# Altium PCB 单片机综合实验电路板.PcbDoc (part 1 of 2)
Units mil, origin at the board's own origin, x right, y up, seen from the top; angles counter-clockwise.
Board outline 6645 x 5655 mil, 2 copper layers (Top Layer, Bottom Layer); 110 components, 121 nets, 532 pads, 90 vias.
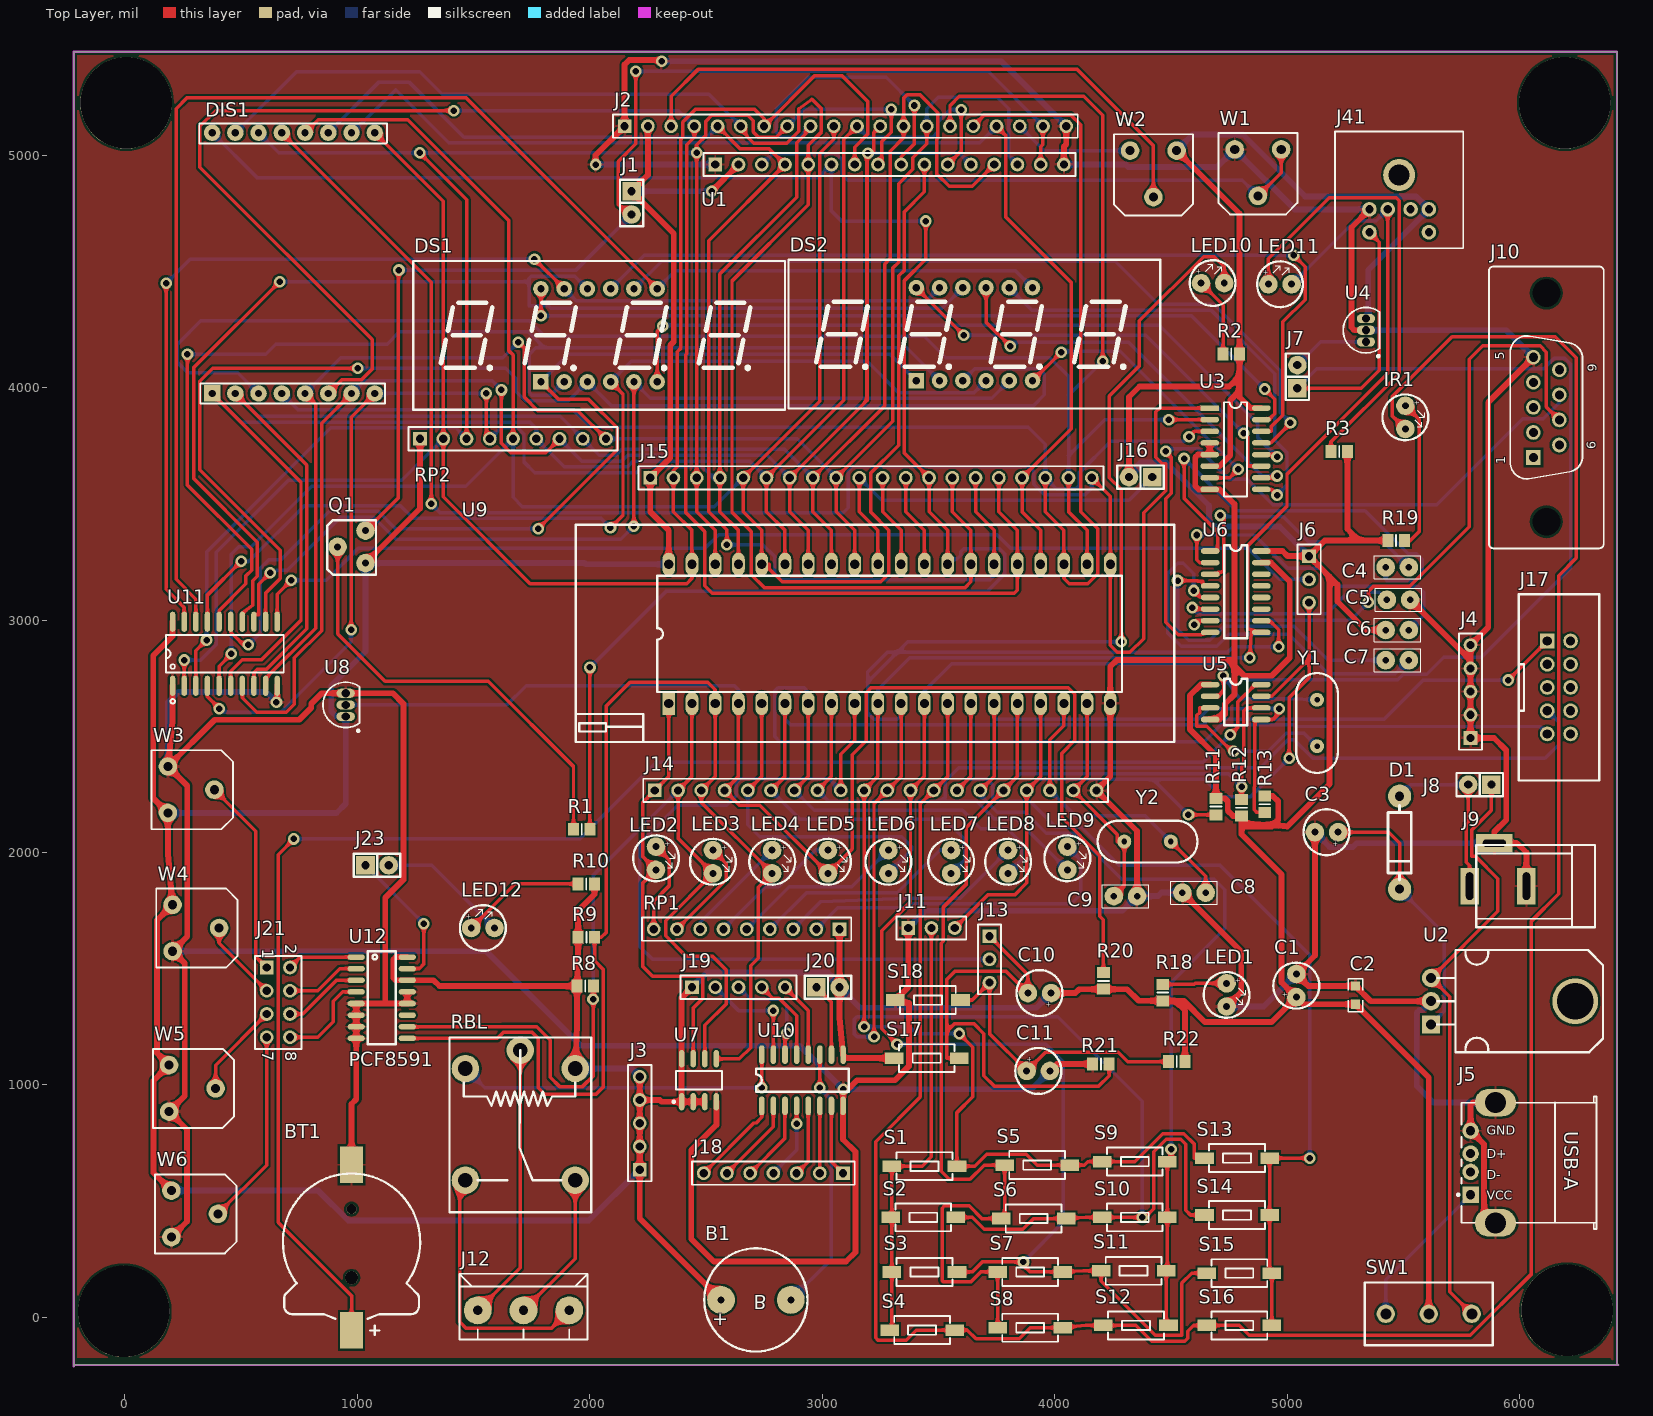
[diagram p0: Top Layer view]
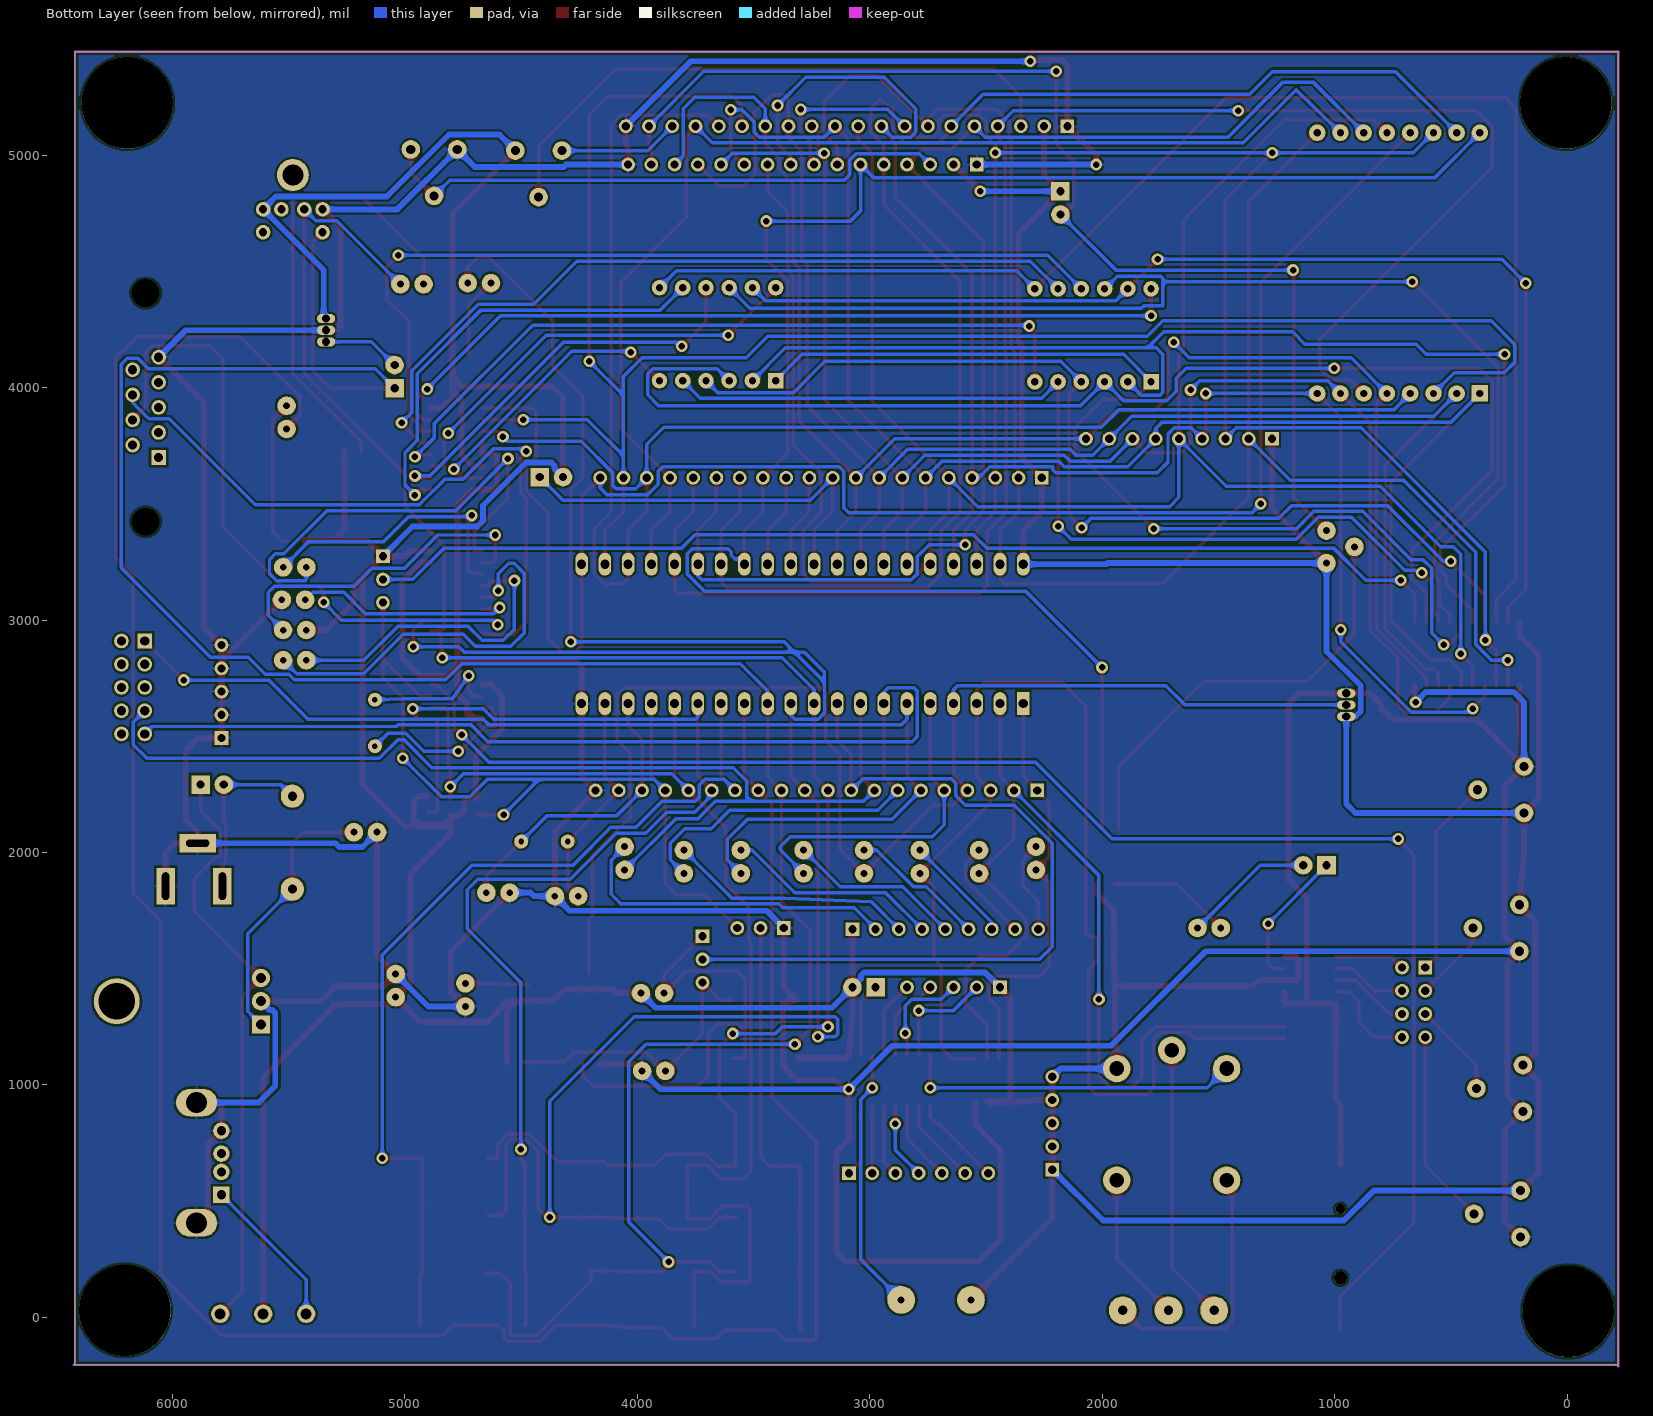
[diagram p1: Bottom Layer view, seen from below]

## Layer stack, top to bottom
Top Solder: solder mask 0.4, Solder Resist, Dk 3.5
Top Layer: signal copper 1.4
Dielectric 1: dielectric 12.6, FR-4, Dk 4.8
Bottom Layer: signal copper 1.4
Bottom Solder: solder mask 0.4, Solder Resist, Dk 3.5

## Board outline
-220,-210 -220,5445 6420,5445 6420,-200 6425,-205 -215,-205

## Design rules (kind name [scope] priority, off if disabled: settings)
Clearance [All] p1: gap=10 ignorepadtopadclearanceinfootprint=FALSE except(0: Arc-Hole Track-Hole SMDPad-Hole THPad-Hole Via-Hole Fill-Hole Poly-Hole Region-Hole Text-Hole)
PolygonConnect [All] p1: connectstyle=Relief reliefconductorwidth=10 reliefentries=4 polygonreliefangle="90 Angle" airgapwidth=10
RoomDefinition 单片机实验开发板 [InComponentClass('单片机实验开发板')] p1: confinementstyle=ConfineIn formatcopy=TRUE outline -220,-210 6425,-210 6425,5450 -220,5450
RoutingVias [All] p1: holewidth=28 width=50 viastyle="Through Hole" minholewidth=28 minwidth=50 maxholewidth=28 maxwidth=50
SolderMaskExpansion [All] p1: expansion=4
Width Width_2 [InNet('VCC')] p1: maxlimit=30 minlimit=20 preferedwidth=25 minimp=50.000000 maximp=50.000000 favimp=50.000000
Width Width_1 [InNet('GND')] p2: maxlimit=50 minlimit=20 preferedwidth=25 minimp=50.000000 maximp=50.000000 favimp=50.000000
Width [All] p3: maxlimit=20 minlimit=10 preferedwidth=15 minimp=50.000000 maximp=50.000000 favimp=50.000000
30 further rules are at their usual default settings.

## Components (designator, comment, footprint, x,y, rotation, side; value= is the part's Value field where it differs from the comment)
B1 "SPEAKER" speaker 2565,75 r0 top
BT1 "Battery" CR1220_A 975,323.54 r270 top
C1 "470UF" RB.1/.2 5040,1377.13 r90 top
C2 "0.1u" 0805C 5295,1386.5 r90 top
C3 "" RB.1/.2 5220,2087.13 r180 top
C4 "0.1U" RAD0.1 5424.57,3227.13 r0 top
C5 "0.1U" RAD0.1 5429.57,3087.13 r0 top
C6 "0.1U" RAD0.1 5524.57,2957.13 r180 top
C7 "0.1U" RAD0.1 5424.57,2827.13 r0 top
C8 "30P" RAD0.1 4650,1827.13 r180 top
C9 "30P" RAD0.1 4255,1812.13 r0 top
C10 "10U" RB.1/.2 3985,1395 r180 top
C11 "10U" RB.1/.2 3880,1060 r0 top
D1 "IN5819" DIODE0.4 5484.57,2242.13 r270 top
DIS1 "1588B" "LED 8*8(1)" 375,3975 r0 top
DS1 "8041A" "SMG 0.4-4P" 2040,4225 r0 top
DS2 "8041A" "SMG 0.4-4P" 3655,4230 r0 top
IR1 "IR" LED 5509.57,3922.13 r270 top
J1 "CON2" SIP2 2180,4845 r270 top
J2 "HDR-1X20" HDR1X20 2150,5125 r0 top
J3 "Connector" HDR1X5 2215,635 r90 top
J4 "Connector" HDR1X5 5789.57,2492.13 r90 top
J5 "CON4" USB-A/S_A 5790,665 r0 top
J6 "CON3" HDR1X3 5095,3275 r270 top
J7 "CON2" SIP2 5044.57,3997.13 r90 top
J8 "CON1X2" SIP2 5879.57,2292.13 r180 top
J9 "CON3" DC-005 6030,1855 r0 top
J10 "DB9" DB9-VP-2R74 6115.91,3915 r90 top
J11 "CON3" HDR1X3 3370,1675 r0 top
J12 "CON3" 5.08-S301 1518.15,30 r0 top
J13 "CON3" HDR1X3 3720,1640 r270 top
J14 "" HDR1X20 2280,2267.13 r0 top
J15 "Header 20" HDR1X20 2260,3612.13 r0 top
J16 "CON2" SIP2 4420,3615 r180 top
J17 "Header 10" DC-2.54-L-Z-10P 6170,2710 r270 top
J18 "CON7" HDR1X7 3090,620 r180 top
J19 "Connector" HDR1X5 2440,1420 r0 top
J20 "CON2" SIP2 2975,1420 r0 top
J21 "CON4X2" HDR2X4 610,1505 r270 top
J23 "CON2" SIP2 1035,1945 r0 top
J41 "PS2-6PIN" PS2-6PIN 5433.31,4767.13 r0 top
LED1 "LED" LED 4740,1437.13 r270 top
LED2 "WHITE" LED 2285,2025 r270 top
LED3 "WHITE" LED 2530,2010 r270 top
LED4 "YELLOW" LED 2785,2010 r270 top
LED5 "YELLOW" LED 3025,2010 r270 top
LED6 "GREEN" LED 3285,2010 r270 top
LED7 "GREEN" LED 3555,2010 r270 top
LED8 "RED" LED 3800,2010 r270 top
LED9 "RED" LED 4055,2025 r270 top
LED10 "WHITE" LED 4630,4450 r0 top
LED11 "WHITE" LED 4920,4445 r0 top
LED12 "RED" LED 1490,1675 r0 top
Q1 "PNP" TO-92C 1035,3245 r90 top
R1 "4.7K" 6-0805_N 1965.43,2100 r180 top
R2 "390" 6-0805_N 4760.43,4145 r0 top
R3 "390" 6-0805_N 5224.57,3725 r0 top
R8 "10K" 6-0805_N 1980.43,1425 r180 top
R9 "10K" 6-0805_N 1985.43,1635 r180 top
R10 "390" 6-0805_N 1985,1865 r0 top
R11 "10K" 6-0805_N 4694.57,2197.56 r90 top
R12 "10K" 6-0805_N 4804.57,2192.13 r270 top
R13 "10K" 6-0805_N 4904.57,2207.56 r90 top
R18 "390" 6-0805_N 4465,1397.13 r270 top
R19 "1.2K" 6-0805_N 5469.13,3342.13 r180 top
R20 "10K" 6-0805_N 4210,1447.13 r270 top
R21 "10K" 6-0805_N 4199.57,1090 r0 top
R22 "10K" 6-0805_N 4525.43,1100 r0 top
RBL "Relay-S-DC5V" Relay-C_Y 1937.44,1070.32 r270 top
RP1 "103" R-SIP9 3075,1670 r180 top
RP2 "330" R-SIP9 1270,3780 r0 top
S1 "SW-PB" SW-MINI 3320,650 r0 top
S2 "SW-PB" SW-MINI 3315,430 r0 top
S3 "SW-PB" SW-MINI 3320,195 r0 top
S4 "SW-PB" SW-MINI 3310,-55 r0 top
S5 "SW-PB" SW-MINI 3805,655 r0 top
S6 "SW-PB" SW-MINI 3790,425 r0 top
S7 "SW-PB" SW-MINI 3775,195 r0 top
S8 "SW-PB" SW-MINI 3775,-45 r0 top
S9 "SW-PB" SW-MINI 4465,670 r180 top
S10 "SW-PB" SW-MINI 4465,430 r180 top
S11 "SW-PB" SW-MINI 4460,200 r180 top
S12 "SW-PB" SW-MINI 4470,-35 r180 top
S13 "SW-PB" SW-MINI 4905,685 r180 top
S14 "SW-PB" SW-MINI 4905,440 r180 top
S15 "SW-PB" SW-MINI 4915,190 r180 top
S16 "SW-PB" SW-MINI 4915,-35 r180 top
S17 "SW-PB" SW-MINI 3570,1115 r180 top
S18 "SW-PB" SW-MINI 3575,1365 r180 top
SW1 "SW-SPDT" SS-12D10 5610,15 r0 top
U1 "LCD 1602" HDR1X16 2540,4960 r0 top
U2 "MC7805T" TO220C 5620,1360 r270 top
U3 "74HC138" SOP16_N 4676.67,3912.02 r0 top
U4 "IR1308" TO-92A 5339.57,4247.13 r0 top
U5 "DS1302" SOP8 4669.57,2722.13 r0 top
U6 "MAX232" SOP16 4669.57,3297.13 r0 top
U7 "24Cxx" SO8_L 2470,1020 r90 top
U8 "3PIN" TO-92A 950,2635 r0 top
U9 "DIP40H" ZIF40 3200,2940 r90 top
U10 "UN2003" SOP16 2740,910 r90 top
U11 "74HC573" SOP20-208 430,2855 r0 top
U12 "PCF8591" SO16NB 995,1550 r270 top
W1 "10K" VR1 4975,5025 r180 top
W2 "10K" VR1 4525,5020 r180 top
W3 "10K" VR1 185,2370 r270 top
W4 "10K" VR1 205,1775 r270 top
W5 "10K" VR1 190,1085 r270 top
W6 "10K" VR1 200,545 r270 top
Y1 "XTAL" XTAL2 5129.57,2557.13 r270 top
Y2 "0-24M" XTAL2 4400,2047.13 r180 top

## Footprints (in the part's own frame and the unit in brackets; to place one, negate y for a bottom-side part, rotate by r counter-clockwise, add the part's x,y. Pads: shape width x height; smd on the part's side, far side on the other; paste and mask are expansions set on the pad)
5.08-S301 [mil]
  round 120 hole 39.37: 1(0,0) 2(196.85,0) 3(393.7,0)
  silkscreen extent -79,-126 472,157
6-0805_N [mm]
  rect 1.2x1.4 smd: 1(-0.9,0) 2(0.9,0)
  silkscreen extent 0,-0.6 0,0.6, body extent -1.07,-0.7 1.07,0.7, height 0.7
0805C [mm]
  rect 1x1 smd: 1(-1,0) 2(1,0)
  silkscreen extent -1.8,-0.8 1.8,0.8
CR1220_A [mm] "纽扣电池座"
  round 1.1 hole 1.1: 0(-3.6,0)
  round 1.45 hole 1.45: 0(3.9,0)
  rect 4x2.5 smd: 1(9.652,0) 2(-8.458,0)
  silkscreen extent -7.5,-7.5 10.16,7.5, body extent -9.42,-7.45 10.34,7.45, height 4.05
DB9-VP-2R74 [mm]
  rect 1.6x1.6 hole 1: 1(-5.48,1.42)
  round 1.6 hole 1: 2(-2.74,1.42) 3(0,1.42) 4(2.74,1.42) 5(5.48,1.42) 6(-4.11,-1.42) 7(-1.37,-1.42) 8(1.37,-1.42) 9(4.11,-1.42)
  round 0 hole 3.05: ""(-12.495,0) ""(12.495,0)
  silkscreen extent -15.4,-6.27 15.41,6.28
DC-2.54-L-Z-10P [mm] "立式直插简牛插座，间距2.54"
  rect 1.6x1.6 hole 1.02: 1(-5.08,-1.27)
  round 1.6 hole 1.02: 2(-5.08,1.27) 3(-2.54,-1.27) 4(-2.54,1.27) 5(0,-1.27) 6(0,1.27) 7(2.54,-1.27) 8(2.54,1.27) 9(5.08,-1.27) 10(5.08,1.27)
  silkscreen extent -10.17,-4.4 10.17,4.4
DC-005 [mm] "5.5*2.1mm，DC30V,2.5A"
  rect 2x4 hole 0.8 slot 3 at 90 deg: 1(-6.2,0) 2(0,0)
  rect 4x2 hole 0.8 slot 2.5 at 0 deg: 3(-3.5,4.7)
  silkscreen extent -5.48,-4.5 7.5,4.5, body extent -6.55,-4.5 7.5,4.8, height 11.2
DIODE0.4 [mm]
  round 2.54 hole 1: A(0,0) K(10.16,0)
  silkscreen extent 1.02,-1.27 9.14,1.27
HDR1X3 [mm] "Connector; Header; 3 Position"
  rect 1.5x1.5 hole 0.9: 1(0,0)
  round 1.5 hole 0.9: 2(2.54,0) 3(5.08,0)
  silkscreen extent -1.27,-1.27 6.35,1.27
HDR1X5 [mm] "Connector; Header; 5 Position"
  rect 1.5x1.5 hole 0.9: 1(0,0)
  round 1.5 hole 0.9: 2(2.54,0) 3(5.08,0) 4(7.62,0) 5(10.16,0)
  silkscreen extent -1.27,-1.27 11.43,1.27
HDR1X7 [mm] "Connector; Header; 7 Position"
  rect 1.5x1.5 hole 0.9: 1(0,0)
  round 1.5 hole 0.9: 2(2.54,0) 3(5.08,0) 4(7.62,0) 5(10.16,0) 6(12.7,0) 7(15.24,0)
  silkscreen extent -1.27,-1.27 16.51,1.27
HDR1X16 [mm] "Connector; Header; 16 Position"
  rect 1.5x1.5 hole 0.9: 1(0,0)
  round 1.5 hole 0.9: 2(2.54,0) 3(5.08,0) 4(7.62,0) 5(10.16,0) 6(12.7,0) 7(15.24,0) 8(17.78,0) 9(20.32,0) 10(22.86,0) 11(25.4,0) 12(27.94,0) 13(30.48,0) 14(33.02,0) 15(35.56,0) 16(38.1,0)
  silkscreen extent -1.27,-1.27 39.37,1.27
HDR1X20 [mm] "Connector; Header; 20 Position"
  rect 1.5x1.5 hole 0.9: 1(0,0)
  round 1.5 hole 0.9: 2(2.54,0) 3(5.08,0) 4(7.62,0) 5(10.16,0) 6(12.7,0) 7(15.24,0) 8(17.78,0) 9(20.32,0) 10(22.86,0) 11(25.4,0) 12(27.94,0) 13(30.48,0) 14(33.02,0) 15(35.56,0) 16(38.1,0) 17(40.64,0) 18(43.18,0) 19(45.72,0) 20(48.26,0)
  silkscreen extent -1.27,-1.27 49.53,1.27
HDR2X4 [mm] "Connector; Header; 4x2 Position"
  rect 1.5x1.5 hole 0.9: 1(0,0)
  round 1.5 hole 0.9: 2(0,2.54) 3(2.54,0) 4(2.54,2.54) 5(5.08,0) 6(5.08,2.54) 7(7.62,0) 8(7.62,2.54)
  silkscreen extent -1.27,-1.27 8.89,3.81
LED [mil]
  round 80 hole 30: A(0,0) K(100,0)
  silkscreen extent -48,-98 148,98
"LED 8*8(1)" [mm] "单色8*8点阵，38mm*38mm"
  rect 1.8x1.8 hole 0.8: 1(0,0)
  round 1.8 hole 0.8: 2(2.54,0) 3(5.08,0) 4(7.62,0) 5(10.16,0) 6(12.7,0) 7(15.24,0) 8(17.78,0) 9(17.78,28.5) 10(15.24,28.5) 11(12.7,28.5) 12(10.16,28.5) 13(7.62,28.5) 14(5.08,28.5) 15(2.54,28.5) 16(0,28.5)
  silkscreen extent -1.4,-1.1 19.1,29.5
PS2-6PIN [mm] "PS2 Socket, 6 Pin, Through Hole"
  round 1.6 hole 0.9: 1(0,0) 2(2.5,0) 3(-2,0) 4(4.5,0) 5(-2,-2.5) 6(4.5,-2.5)
  round 3.5 hole 2.3: S(1.25,3.75)
  silkscreen extent -5.75,-4.25 8.25,8.5
R-SIP9 [mm] "Connector; Header; 9 Position"
  rect 1.5x1.5 hole 0.9: 1(0,0)
  round 1.5 hole 0.9: 2(2.54,0) 3(5.08,0) 4(7.62,0) 5(10.16,0) 6(12.7,0) 7(15.24,0) 8(17.78,0) 9(20.32,0)
  silkscreen extent -1.27,-1.27 21.59,1.27
RAD0.1 [mil]
  round 80 hole 28: 1(0,0) 2(100,0)
  silkscreen extent -50,-50 150,50
RB.1/.2 [mil]
  round 80 hole 30: 1(0,0) 2(100,0)
  silkscreen extent -49,-99 149,99
Relay-C_Y [mm] "单刀双投"
  round 3 hole 1.6: 1(0,0) 2(0,-12) 3(-2,-6) 4(12.2,-12) 5(12.2,0)
  silkscreen extent -3.4,-13.75 15.7,1.75
SIP2 [mil]
  rect 80x80 hole 35.43: 1(0,0)
  round 80 hole 35.43: 2(100,0)
  silkscreen extent -50,-50 150,50
"SMG 0.4-4P" [mm] "40.5*16*7mm(长宽厚)"
  rect 1.7x1.7 hole 0.8: 1(-6.35,-5.08)
  round 1.7 hole 0.8: 2(-3.81,-5.08) 3(-1.27,-5.08) 4(1.27,-5.08) 5(3.81,-5.08) 6(6.35,-5.08) 7(6.35,5.08) 8(3.81,5.08) 9(1.27,5.08) 10(-1.27,5.08) 11(-3.81,5.08) 12(-6.35,5.08)
  silkscreen extent -20.32,-8.13 20.32,8.13, body extent -20.25,-8 20.25,8, height 7
SO8_L [mm] "SOIC, 8-Leads, Body 4.9x3.9mm, Pitch 1.27mm, IPC High Density"
  oval 1.9x0.6 smd: 1(-2.35,1.905) 2(-2.35,0.635) 3(-2.35,-0.635) 4(-2.35,-1.905) 5(2.35,-1.905) 6(2.35,-0.635) 7(2.35,0.635) 8(2.35,1.905)
  silkscreen extent -2.47,-2.5 1,2.88, body extent -2,-2.5 2,2.5, height 1.75
SO16NB [mil]
  oval 24x74 smd: 1(0,0) 2(50,0) 3(100,0) 4(150,0) 5(200,0) 6(250,0) 7(300,0) 8(350,0) 9(350,220) 10(300,220) 11(250,220) 12(200,220) 13(150,220) 14(100,220) 15(50,220) 16(0,220)
  silkscreen extent -25,50 375,170, body extent -19,-5 367,223, height 69
SOP8 [mil]
  oval 80x24 smd: 1(0,0) 2(0,-50) 3(0,-100) 4(0,-150) 5(220,-150) 6(220,-100) 7(220,-50) 8(220,0)
  silkscreen extent 60,-175 160,25
SOP16 [mil]
  oval 80x24 smd: 1(0,0) 2(0,-50) 3(0,-100) 4(0,-150) 5(0,-200) 6(0,-250) 7(0,-300) 8(0,-350) 9(220,-350) 10(220,-300) 11(220,-250) 12(220,-200) 13(220,-150) 14(220,-100) 15(220,-50) 16(220,0)
  silkscreen extent 60,-375 160,25
SOP16_N [mil]
  rect 80x24 smd: 1(-9,0.1)
  oval 80x24 smd: 2(-9,-49.9) 3(-9,-99.9) 4(-9,-149.9) 5(-9,-199.9) 6(-9,-249.9) 7(-9,-299.9) 8(-9,-349.9) 9(212.9,-349.9) 10(212.9,-299.9) 11(212.9,-249.9) 12(212.9,-199.9) 13(212.9,-149.9) 14(212.9,-99.9) 15(212.9,-49.9) 16(212.9,0.1)
  silkscreen extent 52,-380 152,25
SOP20-208 [mm]
  oval 0.6x2.2 smd: 1(-5.715,-3.5) 2(-4.445,-3.5) 3(-3.175,-3.5) 4(-1.905,-3.5) 5(-0.635,-3.5) 6(0.635,-3.5) 7(1.905,-3.5) 8(3.175,-3.5) 9(4.445,-3.5) 10(5.715,-3.5) 11(5.715,3.5) 12(4.445,3.5) 13(3.175,3.5) 14(1.905,3.5) 15(0.635,3.5) 16(-0.635,3.5) 17(-1.905,3.5) 18(-3.175,3.5) 19(-4.445,3.5) 20(-5.715,3.5)
  silkscreen extent -6.44,-5.45 6.44,2.07
speaker [mil]
  round 120 hole 30: 1(0,0) 2(300,0)
  silkscreen extent -72,-222 372,222
SS-12D10 [mm] "脚距3mm"
  round 2 hole 1.2: 1(-4.7,0) 2(0,0) 3(4.7,0)
  silkscreen extent -7,-3.43 7,3.43, body extent -7,-3.1 7,3.1, height 9.65
SW-MINI [mil]
  rect 80x50 smd: 1(-20,0) 2(260,0)
  silkscreen extent 0,-60 240,60
TO220C [mm] "220，3脚晶体管"
  round 5 hole 4: 0(0,15.748)
  rect 2x2 hole 1.1: 1(2.54,0)
  round 2 hole 1.1: 2(0,0) 3(-2.54,0)
  silkscreen extent -5.59,0.69 5.59,18.8, body extent -5.15,-0.25 5.15,18.5, height 4.43
TO-92A [mm] "TO, Flat Index; 3 In-Line, Axial Leads; Body Dia. 4.5mm; Leads 0.51 x 0.48 mm (max)"
  oval 2x1 hole 0.9: 1(0,-1.27) 2(0,0) 3(0,1.27)
  silkscreen extent -2.48,-2.95 1.5,2.48, body extent -2.48,-2.5 1.5,2.5, height 6.86
TO-92C [mil]
  round 80 hole 30: B(70,120) C(140,0) E(0,0)
  silkscreen extent -50,-45 185,165
USB-A/S_A [mm] "A型直插母头，"
  rect 1.8x1.8 hole 1: 1(0,-3.5)
  round 1.8 hole 1: 2(0,-1) 3(0,1) 4(0,3.5)
  oval 4.5x3 hole 2.3: 4(2.71,-6.57) 4(2.71,6.57)
  silkscreen extent -1.47,-7.25 13.75,7.25, body extent -0.6,-7.34 13.7,7.34, height 6.8
VR1 [mil]
  round 80 hole 39.37: 1(0,0) 2(200,0) 3(100,200)
  silkscreen extent -70,-70 270,280
XTAL2 [mil]
  round 60 hole 24: 1(-100,0) 2(100,0)
  silkscreen extent -215,-90 215,90
ZIF40 [mm] "40脚600mil直插集成电路扳手插座（蒜米工坊）"
  rect 2.5x1.38 hole 1: 1(-7.609,21.848)
  oval 2.5x1.38 hole 1: 2(-7.609,19.308) 3(-7.609,16.768) 4(-7.609,14.228) 5(-7.609,11.688) 6(-7.609,9.148) 7(-7.609,6.608) 8(-7.609,4.068) 9(-7.609,1.528) 10(-7.609,-1.012) 11(-7.609,-3.552) 12(-7.609,-6.092) 13(-7.609,-8.632) 14(-7.609,-11.172) 15(-7.609,-13.712) 16(-7.609,-16.252) 17(-7.609,-18.792) 18(-7.609,-21.332) 19(-7.609,-23.872) 20(-7.609,-26.412) 21(7.631,-26.412) 22(7.631,-23.872) 23(7.631,-21.332) 24(7.631,-18.792) 25(7.631,-16.252) 26(7.631,-13.712) 27(7.631,-11.172) 28(7.631,-8.632) 29(7.631,-6.092) 30(7.631,-3.552) 31(7.631,-1.012) 32(7.631,1.528) 33(7.631,4.068) 34(7.631,6.608) 35(7.631,9.148) 36(7.631,11.688) 37(7.631,14.228) 38(7.631,16.768) 39(7.631,19.308) 40(7.631,21.848)
  silkscreen extent -11.8,-33.4 11.95,32.01, body extent -12.31,-32.5 11.56,44.69, height 11

## Part data
BT1: "Multicell Battery", LatestRevisionDate=17-Jul-2002, LatestRevisionNote="Re-released for DXP Platform.", PackageDescription="Battery; 2 Leads", PackageReference=BAT-2, Published=24-Mar-1999, Publisher="Altium Limited"
C1 C3 C10 C11: library part ELECTRO1, "Electrolytic Capacitor"
C2 C4 C5 C6 C7 C8 C9: library part CAP, "Capacitor"
D1: library part DIODE
DIS1: "共阳单色LED8*8点阵屏"
DS1 DS2: "0.8寸4位共阴数码管"
IR1 LED2 LED3 LED4 LED5 LED6 LED7 LED8 LED9 LED10 LED11 LED12: library part LED
J1 J6 J7 J11 J12 J13 J16 J20 J23: "Connector"
J2: library part "Header 20", "20P接插件", BOM名称=2, 学习资源=ww
J3 J4 J19: library part CON5
J5: library part USB-A/S, "USB-A型母接口"
J9: library part P-DC, "低压电源接口", BOM名称=D, 学习资源=ww
J10: "9针串口", 学习资源=ww
J14: library part "Header 20", "Header, 20-Pin", LatestRevisionDate=17-Jul-2002, LatestRevisionNote="Re-released for DXP Platform.", Publisher="Altium Limited"
J15: "Header, 20-Pin", LatestRevisionDate=17-Jul-2002, LatestRevisionNote="Re-released for DXP Platform.", Publisher="Altium Limited"
J17: "Header, 10-Pin"
J41: "6 Pin Through Hole PS2 Socket (Kycon P/N)", ComponentLink1Description="Manufacturer Link", ComponentLink1URL=http://www.oupiin.com/prodindx.html#Headers, Published=17-Dec-2003, Publisher="Altium Limited"
R1 R2 R3 R8 R9 R10 R11 R12 R13 R18 R19 R20 R21 R22: library part RES2
RBL: "5V一组转换"
RP1 RP2: library part "R SIP9", "单列直插排阻", 学习资源=ww
S1 S2 S3 S4 S5 S6 S7 S8 S9 S10 S11 S12 S13 S14 S15 S16 S17 S18: library part SW-PB1
SW1: "SPDT Subminiature Toggle Switch, Right Angle Mounting, Vertical Actuation", ComponentLink1Description="Manufacturer Link", ComponentLink1URL=http://www.apem.com, DatasheetVersion=05-Dec-2000, LatestRevisionDate=17-Dec-2003, LatestRevisionNote="Schematic revised, PCB Footprint replaced.", PackageDescription="Switch; 4 Leads", PackageReference=TL36WW15050, Published=24-Mar-1999, Publisher="Altium Limited"
U3: "138译码器", BOM名称=1, 学习资源=ww
U5: "实时时钟芯片", 学习资源=ww
U7: "外置EEPROM", 学习资源=ww
U8: library part DB18B20
U10: library part ULN2003-2, "达林顿驱动芯片", 学习资源=ww
U11: "D类三态输出锁存器"
W1 W2 W3 W4 W5 W6: library part POT2, "Potentiometer"
Y1: "Crystal Oscillator", LatestRevisionDate=17-Jul-2002, LatestRevisionNote="Re-released for DXP Platform.", PackageDescription="Crystal, Thru-Hole; 2 Leads; Body 3.1 x 8.2 mm (Dia.xH)", PackageReference=R38, Published=8-Jun-2000, Publisher="Altium Limited"
Y2: library part XTAL, "Crystal Oscillator", LatestRevisionDate=17-Jul-2002, LatestRevisionNote="Re-released for DXP Platform.", PackageDescription="Crystal, Thru-Hole; 2 Leads; Body 3.1 x 8.2 mm (Dia.xH)", PackageReference=R38, Published=8-Jun-2000, Publisher="Altium Limited"
U1: BOM名称=LCD, 学习资源=ww
U6: BOM名称=MA, 学习资源=ww

## Free pads (board coordinates)
  round 393.7 hole 393.7 unplated: 1(6195,5225) 2(6205,30) 3(-5,25) 4(5,5225)

## Via types
v1: diameter 50, hole 28, Top Layer to Bottom Layer, 90 vias

## Nets (pads, with @x,y where several pads share a name; then routed paths per layer and width w, separated by ;. In a path a pad name is that pad's centre, name@x,y a point inside that pad or via, vN(x,y) a via of type N, cw(c..) or ccw(c..) an arc to the next point about the centre after c; other vN are vias at no path point)
EA: J15.10 J16.1 U9.31 | length 1746.3
  Top Layer w15: J15.10@3160,3612.13 3160,3465.84 3239.84,3386 U9.31@3239.84,3240.43
  Bottom Layer w15: J15.10@3160,3612.13 3257.03,3515.1 4320.1,3515.1 J16.1@4420,3615
GND: BT1.2 C1.2 C2.2 C3.2 C5.2 C8.2 C9.2 C11.2 J2.1 J2.20 J4.1 J4.2 J4.3 J4.4 J4.5 J5.4 J9.2 J9.3 J10.5 J11.1 J14.20 J41.3 LED1.K R21.1 S18.2 U1.1 U1.16 U2.2 U3.4 U3.5 U3.8 U4.2 U5.4 U6.15 U7.4 U8.3 U9.20 U10.8 U11.1 U11.10 U12.5 U12.6 U12.7 U12.8 U12.12 U12.13 W1.2 W3.1 W4.2 W5.2 W6.2 | length 32964.4
  Top Layer w25: W6.2@200,345 267,412 267,808 W5.2@190,885 257,952 257,1523 W4.2@205,1575 268,1638 268,2287 W3.1@185,2370 ; U11.1@205,2717.2 205,2563 W3.1@185,2370 ; v1(652,2646) 655,2649 U11.10@655,2717.2 ; BT1.2@975,656.54 975,918 995,938 U12.8@995,1200 U12.7@995,1250 U12.6@995,1300 U12.5@995,1350 1124,1350 ; U12.13@1215,1400 U12.12@1215,1350 1124,1350 ; v1(2025,4960) 2025,5000 J2.1@2150,5125 2150,5390 2170,5410 2303,5410 v1(2309,5404) ; U7.4@2545,927.48 2545,828 2437,720 2437,337 2534,240 3103,240 3143,280 3143,712 3090,765 U10.8@3090,910 v1@3090,960 ; v1(3090,981) v1@3090,960 ; J11.1@3370,1675 3370,1420 S18.2@3315,1365 3373,1352 3373,1080 3313,1020 3150,1020 v1@3090,960 ; C11.2@3980,1060 4010,1090 R21.1@4164.13,1090 ; U1.16@4040,4960 4040,5037 4050,5047 J2.20@4050,5125 ; C9.2@4355,1812.13 4355,2092.13 J14.20@4180,2267.13 4239.84,2326.97 U9.20@4239.84,2640.43 4239.84,2800 4267.34,2827.5 4750,2827.5 ; C8.2@4550,1827.13 4803,1574.13 4803,1400.13 LED1.K@4740,1337.13 ; U3.4@4667.67,3762.13 U3.5@4667.67,3712.13 4617.13,3712.13 4605,3700 4605,3577.13 4620,3562.13 U3.8@4667.67,3562.13 4710.87,3562.13 4773.5,3499.5 4773.5,2827.5 ; U6.15@4889.57,3247.13 4930.87,3247.13 5012.07,3165.93 5012.07,2838.07 4934,2760 4817.5,2760 4773.5,2804 ; C3.2@5120,2087.13 5120,1557.13 C1.2@5040,1477.13 5091.26,1425.87 C2.2@5295,1425.87 5360.87,1360 U2.2@5620,1360 ; U4.2@5339.57,4247.13 5289.87,4247.13 5277,4260 5277,4689.56 J41.3@5354.57,4767.13 ; C5.2@5529.57,3087.13 5789.57,2827.13 ; J5.4@5896.69,406.34 5848,406.34 5848,744.8 J5.4@5790,802.8 5790,913.66 5800,923.66 J5.4@5896.69,923.66 ; J9.2@6030,1855 6030,2000.04 5990,2040.04 J9.3@5892.2,2040.04 5892,2040.04 5892,2089 5943,2140 5943,2440 5890.87,2492.13 J4.1@5789.57,2492.13 J4.2@5789.57,2592.13 J4.3@5789.57,2692.13 5789.57,2742 J4.4@5789.57,2792.13 5789.57,2827.13 ; J10.5@6060,4130.75 5866,3936.75 5866,2968.56 J4.5@5789.57,2892.13 5789.57,2827.13 ; W3.1@185,2370 386,2571 750,2571 802,2623 802,2640 847,2685 U8.3@950,2685 1153,2685 1198,2640 1198,1883 1120,1805 1120,1354 1124,1350 ; 4733,2595.13 4733,2638.56 4773.5,2679.06 4773.5,2804 ; 4733,2595.13 U5.4@4669.57,2572.13 4710,2572.13 4733,2595.13 ; 4750,2827.5 4773.5,2804 ; 4750,2827.5 4773.5,2827.5 ; 4773.5,2804 4773.5,2827.5
  Bottom Layer w25: W3.1@185,2370 185,2646 230,2691 607,2691 v1(652,2646) ; W4.2@205,1575 1555,1575 1962,1168 2903,1168 v1(3090,981) 3901,981 C11.2@3980,1060 ; v1(2025,4960) U1.1@2540,4960 ; v1(2309,5404) 3771,5404 J2.20@4050,5125 ; J11.1@3370,1675 3444,1749 4291.87,1749 C9.2@4355,1812.13 4445,1812.13 4460,1827.13 C8.2@4550,1827.13 ; U1.16@4040,4960 4307,4960 4317,4950 4700,4950 W1.2@4775,5025 5032.87,4767.13 J41.3@5354.57,4767.13 ; LED1.K@4740,1337.13 4900,1337.13 C1.2@5040,1477.13 ; C3.2@5120,2087.13 5183.13,2024 5283,2024 5299.04,2040.04 J9.3@5892.2,2040.04 ; U4.2@5339.57,4247.13 5943.62,4247.13 J10.5@6060,4130.75 ; U2.2@5620,1360 5582,1322 5570,1322 5558,1310 5558,995.66 5630,923.66 J5.4@5896.69,923.66
MISO: J14.7 J17.9 LED8.K U9.7 | length 5405.4
  Top Layer w15: J14.7@2880,2267.13 2939.84,2326.97 U9.7@2939.84,2640.43
  Bottom Layer w15: J14.7@2880,2267.13 2966.13,2181 3603.74,2181 3682.97,2101.77 3796.23,2101.77 3858,2040 3858,1968 LED8.K@3800,1910 ; U9.7@2939.84,2640.43 2939.84,2690 2921.84,2708 2810,2708 2795,2693 2795,2500 2818,2477 4644,2477 4715.5,2548.5 5030.84,2548.5 5037.34,2542 6088,2542 J17.9@6120,2510
MOSI: J14.6 J17.1 LED7.K U9.6 | length 4996.5
  Top Layer w15: J14.6@2780,2267.13 2839.84,2326.97 U9.6@2839.84,2640.43 ; v1(5952,2742) J17.1@6120,2910
  Bottom Layer w15: J14.6@2780,2267.13 2905.13,2142 3528,2142 3613,2057 3613,1968 LED7.K@3555,1910 ; U9.6@2839.84,2640.43 2839.84,2573.16 2864.5,2548.5 4638.4,2548.5 4663.4,2573.5 5417.43,2573.5 5585.93,2742 v1(5952,2742)
NetB1_2: B1.2 U10.11 | length 1146.5
  Top Layer w15: v1(2990,987) U10.11@2990,1130
  Bottom Layer w15: B1.2@2865,75 3038,248 3038,939 v1(2990,987)
NetBT1_1: BT1.1 U5.8 | length 6774.1
  Top Layer w15: v1(727,2058) 660,1991 660,408 975,93 BT1.1@975,-56.46 ; v1(4756,2506) 4787.07,2537.07 4787.07,2645.86 4863.33,2722.13 U5.8@4889.57,2722.13
  Bottom Layer w15: v1(727,2058) 1957,2058 2288.15,2389.15 4639.15,2389.15 v1(4756,2506)
NetC3_1: C3.1 D1.K U2.1 | length 1167.4
  Top Layer w15: C3.1@5220,2087.13 5437.44,2087.13 5484.57,2040 D1.K@5484.57,1842.13
  Bottom Layer w15: D1.K@5484.57,1842.13 5677,1649.69 5677,1317 U2.1@5620,1260
NetC4_1: C4.1 U6.1 | length 1980.7
  Top Layer w15: v1(4557,3695) 4557,3524.18 4701.18,3380 4701.18,3297.13 U6.1@4669.57,3297.13
  Bottom Layer w15: v1(4557,3695) 4781.5,3470.5 5335.5,3470.5 5521,3285 5558,3285 5583,3260 5583,3200 5552.63,3169.63 5429.96,3169.63 5424.57,3175.02 C4.1@5424.57,3227.13
NetC4_2: C4.2 U6.3 | length 1211.3
  Top Layer w15: U6.3@4669.57,3197.13 4728,3210 4728,3434 v1(4712,3450)
  Bottom Layer w15: v1(4712,3450) 4716.5,3445.5 4984.5,3445.5 5094,3336 5415.69,3336 C4.2@5524.57,3227.13
NetC5_1: C5.1 U6.6 | length 978.1
  Top Layer w15: v1(4593,3054) 4599.87,3047.13 U6.6@4669.57,3047.13
  Bottom Layer w15: v1(4593,3054) 4619.57,3027.43 5170.87,3027.43 5262.45,3119.01 5397.68,3119.01 C5.1@5429.57,3087.13
NetC6_1: C6.1 U6.2 | length 1435.9
  Top Layer w15: v1(4612,3366) 4612,3260 4624.87,3247.13 U6.2@4669.57,3247.13
  Bottom Layer w15: v1(4612,3366) 4859,3366 5002,3223 5142,3223 5220.37,3144.63 5563.37,3144.63 5588,3120 5588,3020.56 C6.1@5524.57,2957.13
NetC7_1: C7.1 U6.4 | length 1372
  Top Layer w15: v1(4529,3170) 4613,3170 4616,3167 4637,3167 4637,3147.13 U6.4@4669.57,3147.13
  Bottom Layer w15: v1(4529,3170) 4529,2960 4576.5,2912.5 4667.5,2912.5 4727.5,2972.5 5031.5,2972.5 5176.87,2827.13 C7.1@5424.57,2827.13
NetC7_2: C7.2 U6.5 | length 1738
  Top Layer w15: v1(4598,3127) 4627.87,3097.13 U6.5@4669.57,3097.13
  Bottom Layer w15: v1(4598,3127) 4598,3200 4554,3244 4530,3244 4486,3200 4486,2946 4544.5,2887.5 4698.5,2887.5 4750,2939 5007,2939 5177,2769 5466.44,2769 C7.2@5524.57,2827.13
NetC10_2: C10.2 J13.1 R21.2 S17.1 | length 2103.1
  Top Layer w15: S17.1@3590,1115 3537,1115 3537,1231 ; J13.1@3720,1640 3885,1475 C10.2@3885,1395 3792,1488 3571,1488 3537,1454 3537,1231 ; R21.2@4235,1090 4235,1040 4190,995 3741,995 3696,1040 3696,1220 3652,1264 3570,1264 3537,1231
NetC11_1: C11.1 J13.3 R22.1 S18.1 | length 1262.9
  Top Layer w15: S18.1@3595,1365 3645,1365 J13.3@3720,1440 3720,1228.16 3721.16,1227 3721.16,1218.84 C11.1@3880,1060 3961,1141 4274,1141 4315,1100 R22.1@4490,1100
NetD1_A: D1.A J8.2 J9.1 | length 762.6
  Top Layer w15: J8.2@5779.57,2292.13 5779.57,2130.52 5770.96,2121.91 5770.96,1958.17 5785.91,1943.22 J9.1@5785.91,1855
  Bottom Layer w15: D1.A@5484.57,2242.13 5534.57,2292.13 J8.2@5779.57,2292.13
NetDS1_6: DS1.6 U3.12 | length 3236.7
  Top Layer w15: DS1.6@2290,4025 2290,4241 v1(2314,4265) ; U3.12@4889.57,3712.13 4946.87,3712.13 v1(4957,3702)
  Bottom Layer w15: v1(2314,4265) 2318,4269 4450.84,4269 4873.28,3846.56 4873.28,3785.72 v1(4957,3702)
NetDS1_8: DS1.8 U3.13 | length 3430.8
  Top Layer w15: U3.13@4889.57,3762.13 4931.13,3762.13 5015,3846 v1(5015,3849)
  Bottom Layer w15: DS1.8@2190,4425 2309,4544 4261,4544 4446,4359 4685,4359 4971.5,4072.5 4971.5,3892.5 v1(5015,3849)
NetDS1_9: DS1.9 U3.14 | length 3880.7
  Top Layer w15: U3.14@4889.57,3812.13 4933,3812.13 4933,3833 4982,3882 4982,4283 5078,4379 5078,4521 v1(5029,4570)
  Bottom Layer w15: DS1.9@2090,4425 2235,4570 v1(5029,4570)
NetDS1_12: DS1.12 U3.15 | length 3553.8
  Top Layer w15: v1(1790,4309) DS1.12@1790,4425 ; U3.15@4889.57,3862.13 4922.07,3862.13 4948,3888.06 4948,3950 v1(4904,3994)
  Bottom Layer w15: v1(1790,4309) 4589,4309 v1(4904,3994)
NetDS2_6: DS2.6 U3.7 | length 1285.8
  Top Layer w15: DS2.6@3905,4030 4028,4153 v1(4029,4153) ; U3.7@4667.67,3612.13 4752.83,3612.13 v1(4790,3649.29)
  Bottom Layer w15: v1(4029,4153) 4033.21,4157.21 4282.09,4157.21 v1(4790,3649.29)
NetDS2_8: DS2.8 U3.9 | length 1934.5
  Top Layer w15: U3.9@4889.57,3562.13 4932.87,3562.13 v1(4957,3538)
  Bottom Layer w15: DS2.8@3805,4430 3901,4334 4673,4334 4946.5,4060.5 4946.5,3773.5 5000,3720 5000,3581 v1(4957,3538)
NetDS2_9: DS2.9 U3.10 | length 1759.4
  Top Layer w15: DS2.9@3705,4430 3705,4282 v1(3809,4178) ; U3.10@4889.57,3612.13 4949.13,3612.13 v1(4957,3620)
  Bottom Layer w15: v1(3809,4178) 3826.5,4195.5 4318.09,4195.5 4893.59,3620 v1(4957,3620)
NetDS2_12: DS2.12 U3.11 | length 1875.2
  Top Layer w15: DS2.12@3405,4430 v1(3609,4226) ; v1(4814,3804) 4832,3786 4832,3662.13 U3.11@4889.57,3662.13
  Bottom Layer w15: v1(3609,4226) 4392,4226 v1(4814,3804)
NetIR1_A: IR1.A R19.1 | length 645.5
  Top Layer w15: R19.1@5504.57,3342.13 5530.13,3342.13 5568,3380 5568,3863.69 IR1.A@5509.57,3922.13
NetJ1_2: J1.2 J2.19 Q1.C U1.15 | length 4976.5
  Top Layer w15: Q1.C@1035,3385 1177,3527 1177,4504 v1(1179,4506) ; J1.2@2180,4745 2122,4787.37 2122,4973 2198,5049 v1(2198,5361) ; U1.15@3940,4960 3940,5037 3950,5047 J2.19@3950,5125
  Bottom Layer w15: v1(1179,4506) 1941,4506 J1.2@2180,4745 ; v1(2198,5361) 3714,5361 J2.19@3950,5125
NetJ2_3: J2.3 W2.3 | length 2610.2
  Top Layer w15: J2.3@2350,5125 2350,5253 2468,5371 4096,5371 4425,5042 W2.3@4425,4820
NetJ2_18: J2.18 W2.2 | length 518.5
  Bottom Layer w15: J2.18@3850,5125 3955,5020 W2.2@4325,5020
NetJ6_2: J6.2 U11.11 | length 4743.9
  Top Layer w15: U11.11@655,2992.8 655,3111 v1(715,3171)
  Bottom Layer w15: v1(715,3171) 866,3171 1005,3310 2497.35,3310 2554.5,3367.15 3752.36,3367.15 3809.51,3310 4831.25,3310 4966.25,3175 J6.2@5095,3175
NetJ7_2: J7.2 U4.1 | length 336.4
  Bottom Layer w15: J7.2@5044.57,4097.13 5144.57,4197.13 U4.1@5339.57,4197.13
NetJ8_1: J8.1 SW1.3 U2.3 | length 2557.9
  Top Layer w15: SW1.3@5795.04,15 5700,110.04 5700,1380 U2.3@5620,1460 5907,1747 5907,1887 5811,1983 5795.96,1983 5795.96,2097 5879.57,2180.6 J8.1@5879.57,2292.13
NetJ10_7: J10.7 U6.7 | length 2863.8
  Top Layer w15: v1(4601,2980) 4618.13,2997.13 U6.7@4669.57,2997.13 ; v1(5350,3076) 5350,3123 5372,3145 5528,3145 5785,3402 5785,4123 5842,4180 6089,4180 6116,4153 6116,3916.88 J10.7@6171.81,3861.06
  Bottom Layer w15: v1(4601,2980) 4621,3000 5274,3000 v1(5350,3076)
NetJ10_8: J10.8 U6.8 | length 2983.1
  Top Layer w15: v1(4479,3726) 4479,3721 4502.5,3697.5 4502.5,3545 4479,3521.5 4479,2990 4532,2937 4631.87,2937 U6.8@4669.57,2947.13
  Bottom Layer w15: v1(4479,3726) 4491,3738 4618.79,3738 4750,3606.79 4827.21,3606.79 4938.5,3495.5 5644.5,3495.5 6015,3866 6102,3866 6171.81,3935.81 J10.8@6171.81,3968.94
NetJ11_2: J11.2 S1.1 S2.1 S3.1 S4.1 | length 1891.6
  Top Layer w15: S4.1@3290,-55 3300,-55 S3.1@3300,195 S2.1@3300,430 ; S2.1@3295,430 S2.1@3300,430 ; J11.2@3470,1675 3470,690 3430,650 S1.1@3300,650 S2.1@3300,430
NetJ12_1: J12.1 RBL.3 | length 1194.9
  Top Layer w15: J12.1@1518.15,30 1701.22,213.07 RBL.3@1701.22,1149.06
NetJ12_2: J12.2 RBL.5 | length 652.1
  Top Layer w15: J12.2@1715,30 1937.44,252.44 RBL.5@1937.44,590
NetJ12_3: J12.3 RBL.4 | length 1150.8
  Top Layer w15: RBL.4@1465,590 1440,590 1440,-20 1468,-48 1833.85,-48 J12.3@1911.85,30
NetJ15_11: J15.11 U9.30 | length 404.8
  Top Layer w15: J15.11@3260,3612.13 3260,3465.84 3339.84,3386 U9.30@3339.84,3240.43
NetJ15_12: J15.12 U9.29 | length 404.8
  Top Layer w15: J15.12@3360,3612.13 3360,3465.84 3439.84,3386 U9.29@3439.84,3240.43
NetJ18_1: J18.1 U10.7 | length 310.7
  Top Layer w15: U10.7@3040,910 3040,670 J18.1@3090,620
NetJ18_2: J18.2 U10.6 | length 290
  Top Layer w15: J18.2@2990,620 U10.6@2990,910
NetJ18_3: J18.3 U10.5 | length 310.7
  Top Layer w15: J18.3@2890,620 2940,670 U10.5@2940,910
NetJ18_4: J18.4 U10.4 | length 331.4
  Top Layer w15: v1(2890,833) U10.4@2890,910
  Bottom Layer w15: J18.4@2790,620 2890,720 v1(2890,833)
NetJ18_5: J18.5 U10.3 | length 352.1
  Top Layer w15: J18.5@2690,620 2840,770 U10.3@2840,910
NetJ18_6: J18.6 U10.2 | length 372.8
  Top Layer w15: J18.6@2590,620 2790,820 U10.2@2790,910
NetJ18_7: J18.7 U10.1 | length 399.4
  Top Layer w15: J18.7@2490,620 2706,836 2716,836 2740,860 U10.1@2740,910
NetJ19_2: J19.2 U10.15 | length 481.4
  Top Layer w15: U10.15@2790,1130 v1(2790,1320)
  Bottom Layer w15: J19.2@2540,1420 2640,1320 v1(2790,1320)
NetJ19_3: J19.3 U10.14 | length 453
  Top Layer w15: U10.14@2840,1130 2840,1215 v1(2847,1222)
  Bottom Layer w15: J19.3@2640,1420 2692,1368 2819,1368 2847,1340 v1(2847,1222)
NetJ19_4: J19.4 U10.13 | length 367.9
  Top Layer w15: J19.4@2740,1420 2787,1373 2814,1373 2890,1297 U10.13@2890,1130
NetJ19_5: J19.5 U10.12 | length 331.4
  Top Layer w15: J19.5@2840,1420 2940,1320 U10.12@2940,1130
NetJ20_1: J20.1 U10.10 | length 316.9
  Top Layer w15: J20.1@2975,1420 3040,1355 U10.10@3040,1130
NetJ21_1: J21.1 W3.3 | length 858.2
  Top Layer w15: W3.3@385,2270 563,2092 563,1552 J21.1@610,1505
NetJ21_2: J21.2 U12.1 | length 303.6
  Top Layer w15: J21.2@710,1505 755,1550 U12.1@995,1550
NetJ21_3: J21.3 W4.3 | length 354.9
  Top Layer w15: W4.3@405,1675 405,1610 J21.3@610,1405
NetJ21_4: J21.4 U12.2 | length 324.4
  Top Layer w15: J21.4@710,1405 829.69,1405 924.69,1500 U12.2@995,1500
NetJ21_5: J21.5 W5.3 | length 411.1
  Top Layer w15: W5.3@390,985 390,1085 J21.5@610,1305
NetJ21_6: J21.6 U12.3 | length 345.1
  Top Layer w15: J21.6@710,1305 765.22,1305 910.22,1450 U12.3@995,1450
NetJ21_7: J21.7 W6.3 | length 847
  Top Layer w15: W6.3@400,445 610,655 J21.7@610,1205
NetJ21_8: J21.8 U12.4 | length 417.3
  Top Layer w15: J21.8@710,1205 830,1205 897,1272 897,1360 937,1400 U12.4@995,1400
NetJ23_1: J23.1 U12.15 | length 608.3
  Top Layer w15: U12.15@1215,1500 1266,1500 1286,1520 v1(1286,1694)
  Bottom Layer w15: J23.1@1035,1945 v1(1286,1694)